# Altium PCB RPlan_LB1.PcbDoc
Units mm, origin at the board's own origin, x right, y up, seen from the top; angles counter-clockwise.
Board outline 38.2 x 43.2 mm, 2 copper layers (Top Layer, Bottom Layer); 58 components, 100 nets, 267 pads, 65 vias.
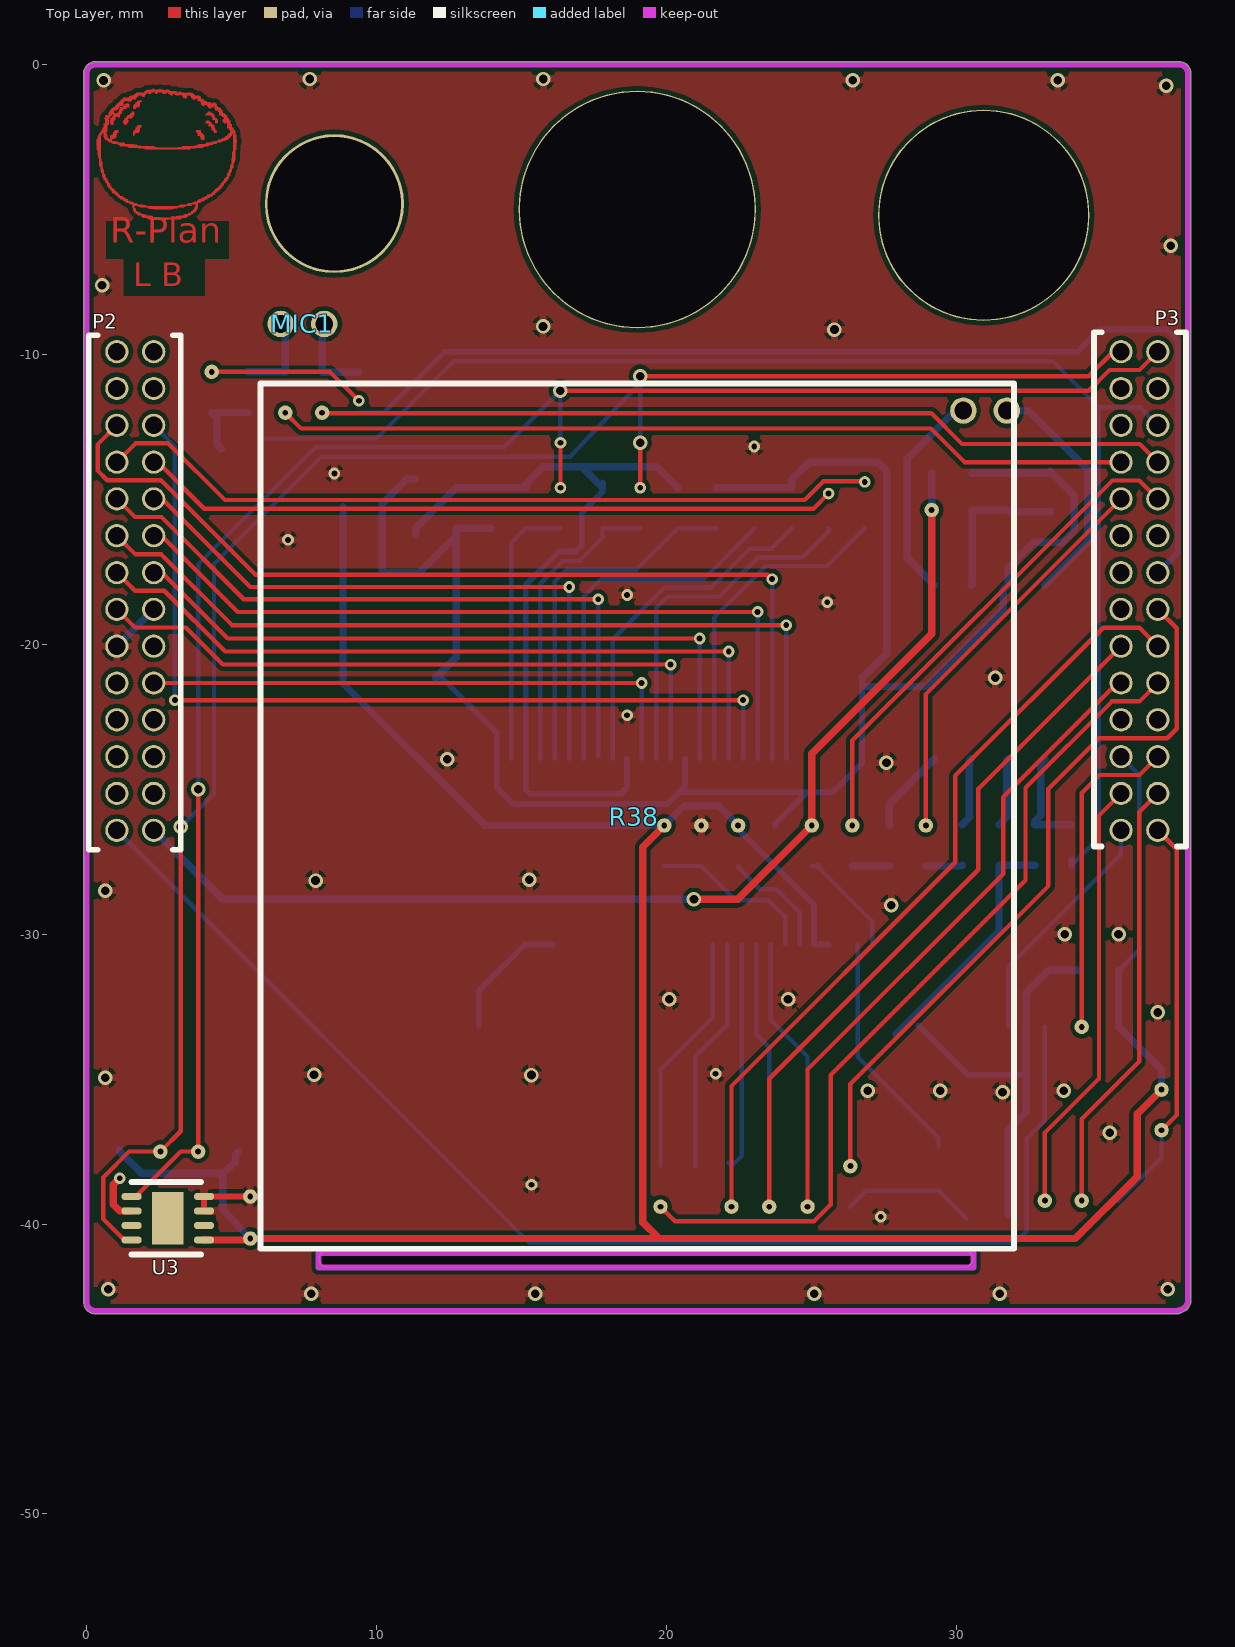
[diagram p0: Top Layer view]
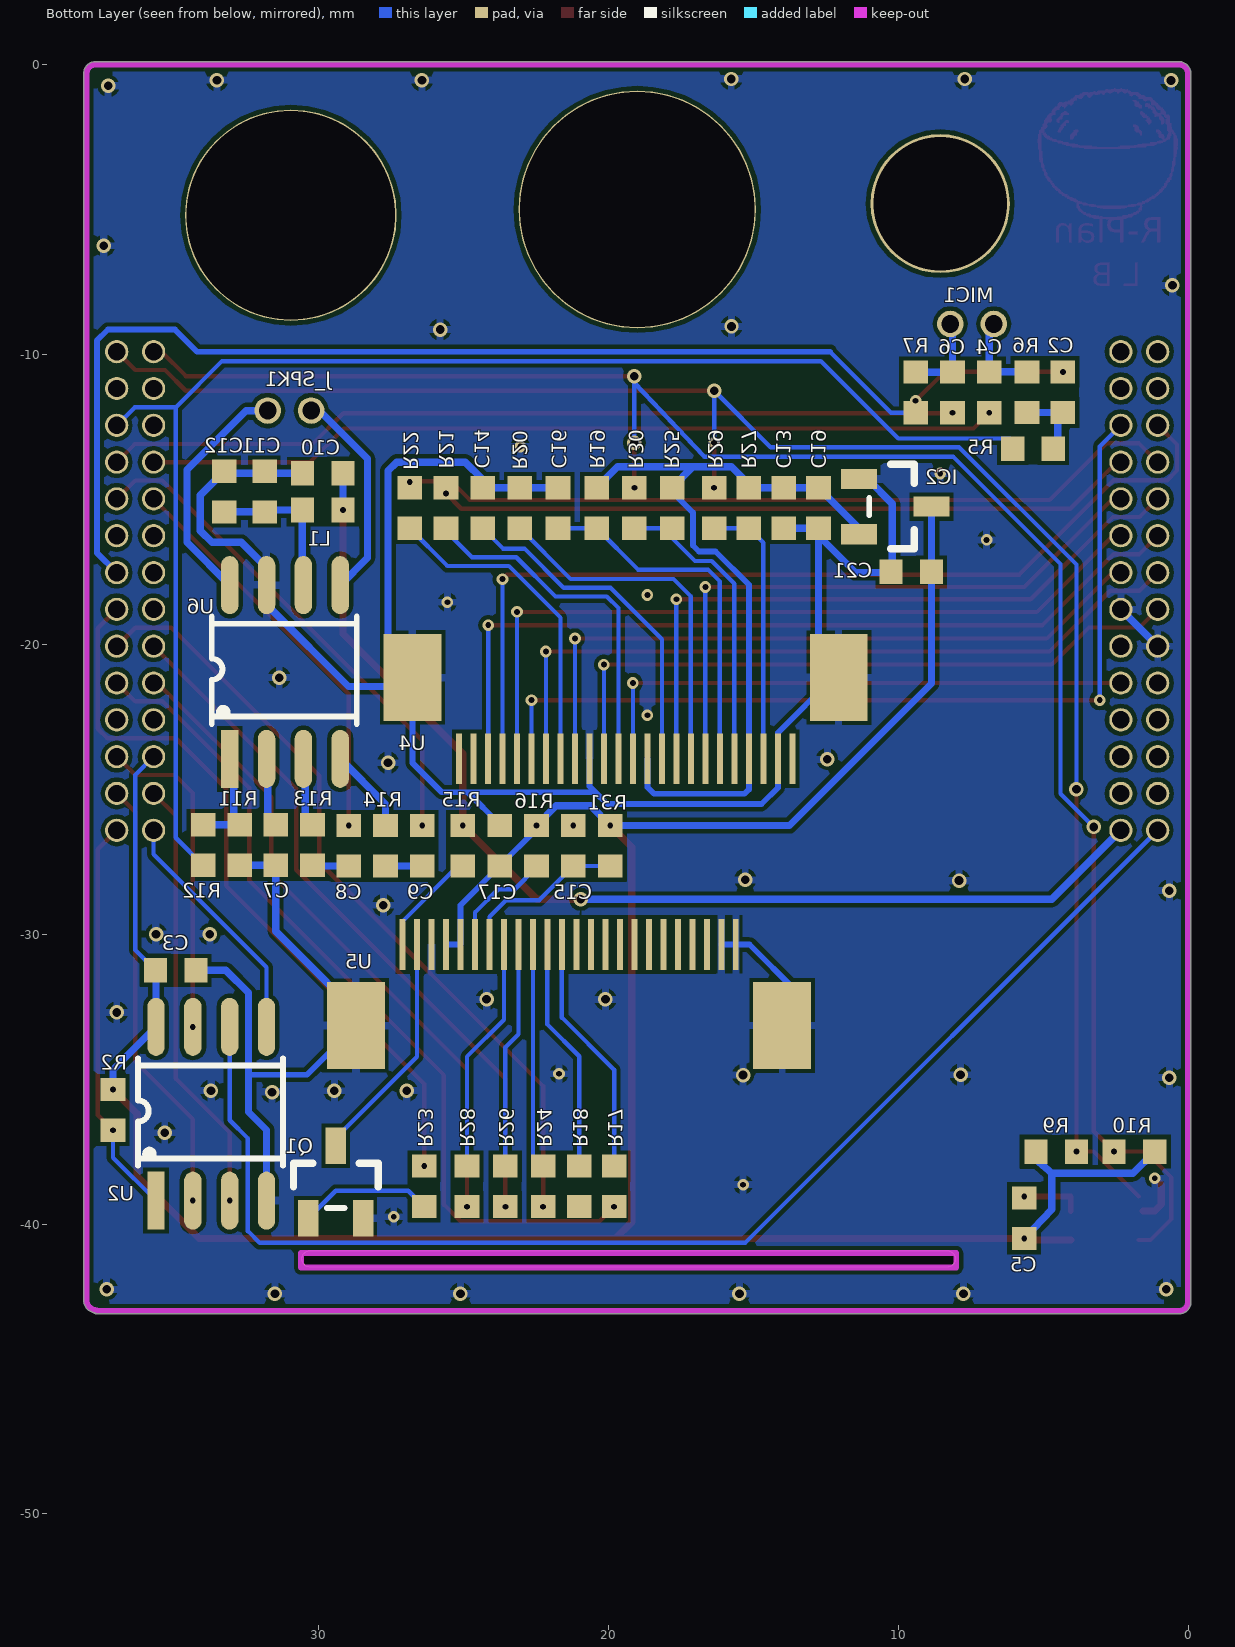
[diagram p1: Bottom Layer view, seen from below]

## Layer stack, top to bottom
Top Solder: solder mask 0.0102, Solder Resist, Dk 3.5
Top Layer: signal copper 0.0356
Dielectric 1: dielectric 0.32, FR-4, Dk 4.8
Bottom Layer: signal copper 0.0356
Bottom Solder: solder mask 0.0102, Solder Resist, Dk 3.5

## Board outline
0.322,-43.1 cw(c0.322,-42.678) -0.1,-42.678 -0.1,-0.322 cw(c0.322,-0.322) 0.322,0.1 37.678,0.1 cw(c37.678,-0.322) 38.1,-0.322 38.1,-42.619 cw(c37.649,-42.619) 37.726,-43.064 cw(c37.649,-43) 37.649,-43.1

## Design rules (kind name [scope] priority, off if disabled: settings)
Clearance [All] p1: gap=0.15
PolygonConnect [All] p1: connectstyle=Relief reliefconductorwidth=0.254 reliefentries=4 polygonreliefangle="90 Angle" airgapwidth=0.127
RoutingVias [All] p1: holewidth=0.711 width=1.27 viastyle="Through Hole" minholewidth=0.711 minwidth=1.27 maxholewidth=0.711 maxwidth=1.27
SolderMaskExpansion [All] p1: expansion=0.102
Width [All] p1: maxlimit=0.254 minlimit=0.1 preferedwidth=0.254
30 further rules are at their usual default settings.

## Components (designator, comment, footprint, x,y, rotation, side; value= is the part's Value field where it differs from the comment)
C2 "225" 0603C 4.318,-11.303 r90 bottom
C3 "0.1uF" 0603C 34.925,-31.242 r0 bottom
C4 "225" 0603C 6.858,-11.311 r270 bottom
C5 "105" 0603C 5.65,-39.8 r90 bottom
C6 "225" 0603C 8.128,-11.311 r270 bottom
C7 "105" 0603C 31.478,-26.924 r270 bottom
C8 "22nf" 0603C 28.956,-26.951 r90 bottom
C9 "22nf" 0603C 26.416,-26.951 r90 bottom
C10 "106" 0603C 29.854,-14.097 r0 bottom
C11 "106" 0603C 31.85,-14.732 r90 bottom
C12 "104" 0603C 33.247,-14.732 r270 bottom
C13 "" 0603C 13.95,-15.3 r270 bottom
C14 "" 0603C 24.333,-15.3 r270 bottom
C15 "0.1uF" 0603C 21.209,-26.951 r270 bottom
C16 "" 0603C 21.734,-15.3 r270 bottom
C17 "0.1uF" 0603C 23.749,-26.951 r90 bottom
C19 "105" 0603C 12.75,-15.3 r270 bottom
C21 "105" 0603C 9.55,-17.5 r0 bottom
IC2 "SC6206B-2.8V" SOT-23-3 10.1,-15.25 r0 bottom
J_SPK1 "Header 2" MIC_4015_DIP 31,-11.438 r0 bottom
L1 "0R" 0603C 29.854,-15.367 r0 bottom
MIC1 "MIC" MIC_4015_DIP 7.45,-8.45 r180 top
P2 "connect" CONNECT -0.049,-9.271 r0 top
P3 "connect" CONNECT 38.053,-27.051 r180 top
Q1 "S8050LT1" SOT-23-3 29.4,-38.55 r270 bottom
R2 "4.7K" 0603C 37.084,-36.061 r270 bottom
R5 "1.2K" 0603C 5.35,-13.25 r180 bottom
R6 "1.2K" 0603C 5.558,-11.303 r270 bottom
R7 "12K" 0603C 9.398,-11.311 r90 bottom
R9 "10K" 0603C 4.55,-37.5 r0 bottom
R10 "10k" 0603C 1.85,-37.5 r180 bottom
R11 "1M" 0603C 32.716,-26.924 r270 bottom
R12 "47K" 0603C 33.978,-26.924 r270 bottom
R13 "120K" 0603C 30.205,-26.924 r270 bottom
R14 "120K" 0603C 27.686,-26.951 r90 bottom
R15 "" 0603C 25.019,-26.951 r90 bottom
R16 "" 0603C 22.479,-26.951 r90 bottom
R17 "" 0603C 19.8,-38.7 r90 bottom
R18 "" 0603C 21,-38.7 r90 bottom
R19 "" 0603C 20.4,-15.3 r90 bottom
R20 "" 0603C 23.05,-15.3 r270 bottom
R21 "" 0603C 25.6,-15.3 r270 bottom
R22 "" 0603C 26.85,-15.3 r90 bottom
R23 "" 0603C 26.35,-38.7 r90 bottom
R24 "" 0603C 22.25,-38.7 r90 bottom
R25 "" 0603C 17.8,-15.3 r90 bottom
R26 "" 0603C 23.55,-38.7 r90 bottom
R27 "" 0603C 15.15,-15.3 r90 bottom
R28 "" 0603C 24.873,-38.7 r90 bottom
R29 "" 0603C 16.35,-15.3 r270 bottom
R30 "" 0603C 19.1,-15.3 r270 bottom
R31 "" 0603C 19.933,-26.951 r270 bottom
R38 "0R" LCD_13 18.9,-25.952 r0 top
U2 "IPS6404L-SQ-SPN" SOP8_150mil 33.697,-36.195 r90 bottom
U3 "SHT3x" SHT3X 1.613,-38.474 r0 top
U4 "OV7670" FPC_0.5_24P_L 25.15,-23.95 r90 bottom
U5 "LCD" FPC_0.5_24P_LF 15.6,-30.353 r270 bottom
U6 "NS4150" SOP8_150mil 31.153,-20.955 r90 bottom

## Footprints (in the part's own frame and the unit in brackets; to place one, negate y for a bottom-side part, rotate by r counter-clockwise, add the part's x,y. Pads: shape width x height; smd on the part's side, far side on the other; paste and mask are expansions set on the pad)
0603C [mm] "http://www.samsungsem.com/cn/front/downloadcms.do?path=%2F%2Fcn%2F%2Fsupport%2F%2Flibrary%2F%2Fproduct-catalog%2F%2F__icsFiles%2F%2Fafieldfile%2F%2F2015%2F%2F01%2F%2F12&fileName=CHIP_RESISTOR_150112_12.pdf"
  rect 0.8x0.85 smd: 1(-0.7,0) 2(0.7,0)
  Top Layer pour cut-out: -1.245,0.584 -1.245,-0.559 1.245,-0.559 1.245,0.584
  body extent -0.85,-0.45 0.85,0.45, height 0.55
CONNECT [mm]
  round 0.8 hole 0.6: 1(1.096,-0.635) 2(2.366,-0.635) 3(1.096,-1.905) 4(2.366,-1.905) 5(1.096,-3.175) 6(2.366,-3.175) 7(1.096,-4.445) 8(2.366,-4.445) 9(1.096,-5.715) 10(2.366,-5.715) 11(1.096,-6.985) 12(2.366,-6.985) 13(1.096,-8.255) 14(2.366,-8.255) 15(1.096,-9.525) 16(2.366,-9.525) 17(1.096,-10.795) 18(2.366,-10.795) 19(1.096,-12.065) 20(2.366,-12.065) 21(1.096,-13.335) 22(2.366,-13.335) 23(1.096,-14.605) 24(2.366,-14.605) 25(1.096,-15.875) 26(2.366,-15.875) 27(1.096,-17.145) 28(2.366,-17.145)
  silkscreen extent 0.13,-17.82 3.3,-0.07, body extent 0.25,-17.78 3.25,0, height 2.1
FPC_0.5_24P_L [mm]
  rect 1.75x0.2 smd mask+0.051: 1(0,0) 2(0,-0.5) 3(0,-1) 4(0,-1.5) 5(0,-2) 6(0,-2.5) 7(0,-3) 8(0,-3.5) 9(0,-4) 10(0,-4.5) 11(0,-5) 12(0,-5.5) 13(0,-6) 14(0,-6.5) 15(0,-7) 16(0,-7.5) 17(0,-8) 18(0,-8.5) 19(0,-9) 20(0,-9.5) 21(0,-10) 22(0,-10.5) 23(0,-11) 24(0,-11.5)
  rect 3x2 smd: 25(2.8,-13.1) 26(2.8,1.6)
  body extent -0.5,-13.77 6,2.33, height 2.2
FPC_0.5_24P_LF [mm]
  rect 1.75x0.2 smd mask+0.051: 1(0,-11.5) 2(0,-11) 3(0,-10.5) 4(0,-10) 5(0,-9.5) 6(0,-9) 7(0,-8.5) 8(0,-8) 9(0,-7.5) 10(0,-7) 11(0,-6.5) 12(0,-6) 13(0,-5.5) 14(0,-5) 15(0,-4.5) 16(0,-4) 17(0,-3.5) 18(0,-3) 19(0,-2.5) 20(0,-2) 21(0,-1.5) 22(0,-1) 23(0,-0.5) 24(0,0)
  rect 3x2 smd: 25(2.8,-13.1) 26(2.8,1.6)
  body extent -0.5,-13.76 6,2.34, height 2.2
LCD_13 [mm]
  body extent -14.48,-14.61 13.08,14.61, height 0.25
MIC_4015_DIP [mil]
  round 36 hole 24: 1(29.53,19.68) 2(-29.53,19.68)
SHT3X [mm]
  oval 0.7x0.25 smd: 1(-0.059,-0.576) 2(-0.059,-1.076) 3(-0.059,-1.576) 4(-0.059,-2.076) 5(2.441,-2.076) 6(2.441,-1.576) 7(2.441,-1.076) 8(2.441,-0.576)
  rect 1.1x1.8 smd: 9(1.191,-1.326)
  silkscreen extent -0.06,-2.58 2.34,-0.08
SOP8_150mil [mm]
  rect 2x0.6 smd: 1(-2.997,1.905)
  rrect100% 2x0.6 smd: 2(-2.997,0.635) 3(-2.997,-0.635) 4(-2.997,-1.905) 5(2.997,-1.905) 6(2.997,-0.635) 7(2.997,0.635) 8(2.997,1.905)
  silkscreen extent -1.79,-2.47 1.91,2.53, body extent -3.05,-2.5 2.99,2.52, height 1.6
SOT-23-3 [mm]
  rect 1.25x0.7 smd: 1(1.25,-0.95) 2(1.25,0.95) 3(-1.25,0)
  silkscreen extent -0.65,-1.46 0.9,1.46, body extent -1.5,-1.5 1.5,1.5, height 1.3

## Part data
C2 C4 C6 C12: library part CAP
C3 C15 C17 C19 C21: library part CAP, "Capacitor"
C5 C7 C8 C9 C10 C11 C13 C14 C16: library part Cap, "Capacitor"
IC2: library part ME6206A33M3G, "SC6206B-3V"
J_SPK1: "Header, 2-Pin"
L1: library part Inductor, "GZ1608D121TF"
Q1: library part NPN, "NPN Bipolar Transistor"
R2 R9 R10 R11 R12 R13 R14 R38: library part RES, "RES"
R5 R6 R7: library part Res
R15 R16 R17 R18 R19 R20 R21 R22 R23 R24 R25 R26 R27 R28 R29 R30 R31: library part Res2, "Resistor"
U2: library part W25X16

## Free pads (board coordinates)
  round 0.5 hole 0.2: 57(26.416,-26.251) 58(28.956,-26.251) 59(6.858,-12.011) 60(8.128,-12.011) 65(34.332,-33.198) 68(34.332,-39.192) 69(33.062,-39.192) 70(37.084,-36.761) 71(24.873,-39.4) 72(23.55,-39.4) 73(22.25,-39.4) 74(19.8,-39.4) 76(22.479,-26.251) 77(19.933,-26.251) 79(37.084,-35.361) 88(29.154,-15.367) 89(25.019,-26.251) 103(3.85,-37.5) 104(2.55,-37.5) 105(5.65,-40.5) 107(21.209,-26.251) 110(5.65,-39.05) 132(26.35,-38) 133(4.318,-10.603)
  round 0.4 hole 0.2: 122(19.1,-14.6) 125(16.35,-14.6) 126(25.6,-14.8) 127(26.85,-14.4)
  round 4.8 hole 4.6: 128(8.55,-4.8)
  round 8.2 hole 8.1: 129(19,-5)
  round 7.3 hole 7.2: 130(30.95,-5.2)
  oval 22.6x0.6 hole 0.5 slot 22.5 at 0 deg: 131(19.3,-41.2)

## Via types
v1: diameter 0.5, hole 0.3, Top Layer to Bottom Layer, 42 vias
v2: diameter 0.4, hole 0.2, Top Layer to Bottom Layer, 23 vias

## Nets (pads, with @x,y where several pads share a name; then routed paths per layer and width w, separated by ;. In a path a pad name is that pad's centre, name@x,y a point inside that pad or via, vN(x,y) a via of type N, cw(c..) or ccw(c..) an arc to the next point about the centre after c; other vN are vias at no path point)
AGND: C2.2 P3.15 pad.133 R7.1 | length 43.4
  Top Layer w0.15: pad.133 8.401,-10.603 v2(9.398,-11.6)
  Bottom Layer w0.15: R7.1 10.25,-12.011 12.355,-9.906
  Bottom Layer w0.2: 12.355,-9.906 34.188,-9.906 34.952,-9.142 37.26,-9.142 37.643,-9.525 37.643,-16.84 P3.15
AUDLN: C9.2 P3.19 pad.57 | length 17.5
  Top Layer w0.15: pad.57 26.416,-23.321 35.389,-14.348 36.319,-14.348 P3.19
AUDLP: C8.2 P3.20 pad.58 | length 14.2
  Top Layer w0.15: pad.58 28.956,-21.717 P3.20
  Top Layer w0.254: P3.20@35.563,-14.986 P3.20
AUDRN: P3.17
AUDRP: P3.16
CAM_PWND: R20.2 U4.17 | length 12.5
  Bottom Layer w0.15: U4.17 17.15,-18.349 17.749,-17.75 21.3,-17.75 R20.2
CAM_RST: C16.2 R19.1 U4.19 | length 12.5
  Bottom Layer w0.15: U4.19 16.15,-17.834 16.559,-17.425 18.975,-17.425 R19.1 C16.2
CEN: P3.7
GND: C3.1 C5.2 C7.2 C10.2 C11.2 C12.1 C13.2 C14.1 C15.1 C16.1 C17.2 C19.2 C21.2 IC2.1 P2.16 P2.17 pad.107 pad.110 Q1.2 R11.2 R20.1 U2.4 U3.2 U3.7 U3.8 U4.10 U4.23 U4.25 U4.26 U5.3 U5.23 U5.24 U5.25 U5.26 U6.7 | length 100
  Top Layer w0.2: U3.7@4.05,-39.55 4.05,-39.05 pad.110
  Top Layer w0.254: v2(1.15,-38.419) 0.927,-38.642 0.927,-39.327 1.15,-39.55 U3.2
  Bottom Layer w0.2: U4.25 12.25,-21.15 14.15,-23.05 U4.23 14.15,-24.95 14.714,-25.514 20.036,-25.514 20.448,-25.102 ; U5.26@13.53,-33.153 13.53,-31.953 15.13,-30.353 U5.24 U5.23 ; U4.10 20.65,-24.9 20.448,-25.102 ; C17.2 23.749,-26.201 24.848,-25.102 ; U4.26 26.75,-24.1 25.748,-25.102 24.848,-25.102 ; U5.25 30.397,-34.85 32.413,-34.85 ; 20.448,-25.102 24.848,-25.102
  Bottom Layer w0.254: P2.17 P2.16 ; IC2.1 11.05,-14.3 10.2,-15.15 10.2,-17.526 11.474,-17.526 C19.2@12.75,-16.25 ; U4.25 12.75,-20.45 C19.2@12.75,-16.25 ; C13.2 C19.2 C19.2@12.75,-16.25 ; C16.1 R20.1 C14.1 24.333,-14.317 24.934,-13.716 27.304,-13.716 27.6,-14.012 27.6,-20.3 U4.26 ; U4.26@26.777,-21.457 28.962,-21.457 31.623,-18.796 31.623,-18.122 U6.7 31.788,-17.361 32.668,-16.481 33.673,-16.481 34.075,-16.08 34.075,-14.86 C12.1 33.182,-14.097 C10.2 ; U5.25@27.929,-33.454 31.478,-29.905 C7.2 R11.2 ; U2.4@31.792,-39.67 U2.4 31.792,-36.758 32.413,-36.136 32.413,-34.85 32.413,-32.023 33.195,-31.242 C3.1
  other v1: 7.75,-42.4 15.477,-42.4 25.1,-42.4 31.5,-42.4 0.75,-42.25 37.3,-42.25 35.3,-36.85 31.6,-35.45 26.95,-35.4 29.45,-35.4 33.707,-35.399 0.65,-34.95 7.85,-34.85 15.35,-34.861 36.957,-32.7 20.1,-32.25 24.2,-32.25 33.75,-30 35.602,-30 27.761,-29.002 0.65,-28.5 7.9,-28.151 15.276,-28.124 27.597,-24.088 12.446,-23.964 31.35,-21.15 25.8,-9.142 15.75,-9.036 0.537,-7.618 37.4,-6.25 37.25,-0.737 0.588,-0.55 26.429,-0.543 33.5,-0.543 7.7,-0.5 15.76,-0.5
  other v2: 27.4,-39.75 15.35,-38.642 21.7,-34.817 18.65,-22.45 25.55,-18.55 18.65,-18.3 6.95,-16.4 8.55,-14.11 23.037,-13.179
IN_N: R14.2 U6.4 | length 2.9
  Bottom Layer w0.254: R14.2 27.686,-25.514 U6.4
IN_P: R13.1 U6.3 | length 2.4
  Bottom Layer w0.254: R13.1 30.477,-25.952 30.455,-25.952 30.455,-24.015 U6.3
LINEL: P3.24
MCLK: R21.2 U4.12 | length 12.3
  Bottom Layer w0.15: U4.12 19.65,-18.75 20.05,-18.35 21.823,-18.35 23.173,-17 24.7,-17 25.6,-16.1 R21.2
MIC_N: C6.1 MIC1.2 R7.2 | length 3
  Bottom Layer w0.254: MIC1.2 8.128,-9.022 C6.1 R7.2
MIC_P: C4.1 MIC1.1 R6.1 | length 3
  Bottom Layer w0.254: R6.1 6.85,-10.603 C4.1 6.858,-9.108 MIC1.1
MICBIAS: P3.23 R5.1 R12.2 | length 49.4
  Bottom Layer w0.15: R5.1@6.035,-13 6.135,-12.9 10,-12.9 12.669,-10.231 33.327,-10.231 34.925,-11.829 34.925,-26.677 R12.2 ; 34.925,-11.821 36.332,-11.821 P3.23
  Bottom Layer w0.254: R12.2 R12.2@33.978,-27.449
MICLN: C6.2 P3.21 pad.60 | length 29.5
  Top Layer w0.15: pad.60 8.149,-12.032 29.146,-12.032 30.205,-13.091 36.332,-13.091 P3.21
MICLP: C4.2 P3.22 pad.59 | length 29.5
  Top Layer w0.15: pad.59 7.403,-12.556 29.128,-12.556 30.288,-13.716 P3.22
MUTE: R11.1 R12.1 U6.1 | length 3.7
  Bottom Layer w0.254: U6.1 32.922,-24.088 32.922,-25.908 32.716,-26.113 R11.1 R12.1
NetC2_1: C2.1 R5.2 R6.2 | length 2.6
  Bottom Layer w0.254: R5.2 4.5,-13.1 4.5,-12.185 C2.1 R6.2
NetC7_1: C7.1 U6.2 | length 2.9
  Bottom Layer w0.254: C7.1 31.75,-25.952 31.75,-23.99 U6.2 U6.2@31.788,-24.454
NetC8_1: C8.1 R13.2 | length 1.3
  Bottom Layer w0.254: C8.1 30.178,-27.651 R13.2
NetC9_1: C9.1 R14.1 | length 1.3
  Bottom Layer w0.254: C9.1 R14.1
NetC15_2: C15.2 R31.2 U5.7 | length 5.8
  Bottom Layer w0.15: R31.2 C15.2 22.387,-28.829 23.529,-28.829 24.1,-29.4 U5.7
NetC18_1: 
NetD1_2: 
NetD2_1: 
NetD2_2: 
NetD4_2: 
NetIC1_2: 
NetQ1_1: Q1.1 R23.1 | length 4.6
  Bottom Layer w0.15: R23.1 26.9,-38.85 29.4,-38.85 Q1.1
NetQ1_3: Q1.3 U5.2 | length 8.1
  Bottom Layer w0.15: U5.2 26.6,-34.23 29.4,-37.03 Q1.3
NetR3_1: 
NetR4_1: 
NetR15_1: R15.1 U5.1 | length 3.7
  Bottom Layer w0.15: R15.1 25.191,-27.651 27.1,-29.56 U5.1
  Bottom Layer w0.2: R15.1@25.191,-27.651 R15.1@25.227,-27.651
NetR16_1: R16.1 U5.6 | length 3.9
  Bottom Layer w0.15: R16.1 22.479,-27.702 23.227,-28.45 23.8,-28.45 24.6,-29.25 U5.6
NetR17_2: R17.2 U5.12 | length 8.4
  Bottom Layer w0.15: R17.2 19.8,-34.678 21.6,-32.878 U5.12
NetR18_2: R18.2 U5.11 | length 8.1
  Bottom Layer w0.15: R18.2 21,-34.212 22.1,-33.112 U5.11
NetR24_2: R24.2 U5.10 | length 8
  Bottom Layer w0.15: R24.2@22.13,-37.88 R24.2 22.6,-37.65 U5.10
NetR26_2: R26.2 U5.9 | length 7.8
  Bottom Layer w0.15: U5.9 23.1,-33.449 23.55,-33.899 R26.2
NetR28_2: R28.2 U5.8 | length 8.2
  Bottom Layer w0.15: U5.8 23.6,-32.95 24.873,-34.223 R28.2
NetR32_1: 
NetR33_2: 
NetR34_1: 
NetR35_2: 
P0: P3.28 pad.104 pad.122 R10.1 R30.1 U3.4 | length 64.6
  Top Layer w0.15: U3.4@1.7,-40.55 1.3,-40.55 0.575,-39.825 0.575,-38.393 1.468,-37.5 pad.104 3.253,-36.797 v1(3.253,-26.3) ; pad.122 v1(19.1,-13.05) ; v1(19.1,-10.75) 34.572,-10.75 35.416,-9.906 P3.28
  Bottom Layer w0.15: v1(3.253,-26.3) 4.398,-25.155 4.398,-17.233 8.106,-13.525 16.692,-13.525 v1@19.1,-10.978 ; v1(19.1,-13.05) v1@19.1,-10.978 ; v1@19.1,-10.978 19.106,-10.971 v1(19.1,-10.75) v1@19.1,-10.978
P1: P3.27 pad.103 pad.125 R9.1 R29.1 U3.1 | length 62.5
  Top Layer w0.15: U3.1@1.7,-39.05 3.25,-37.5 pad.103 v1(3.85,-25) ; v1(16.345,-11.256) 34.576,-11.256 35.291,-10.541 36.322,-10.541 P3.27 ; pad.125 v2(16.35,-13.05)
  Bottom Layer w0.15: v1(3.85,-25) 3.85,-17.25 7.9,-13.2 14.401,-13.2 v1(16.345,-11.256) 16.345,-13.045 v2(16.35,-13.05)
P2: P3.12 pad.72 R26.1 | length 24.4
  Top Layer w0.15: pad.72 23.55,-34.991 30.763,-27.778 30.763,-24.99 P3.12
P3: P3.10 pad.71 R28.1 | length 22.6
  Top Layer w0.15: pad.71 24.873,-34.671 31.623,-27.921 31.623,-25.273 35.56,-21.336 P3.10
P4: P3.11 pad.73 R24.1 | length 27.4